# Altium PCB EPS.PcbDoc (part 6 of 10)
Units mm, origin at the board's own origin, x right, y up, seen from the top; angles counter-clockwise.
Board outline 90.25 x 93.64 mm, 8 copper layers (Top Layer, PGND, Power, Control Signals 1, Control Signals 2, Signal 1, Signal 2, Bottom Layer), stack 1.637 mm thick; 953 components, 561 nets, 2718 pads, 883 vias.
Unrouted connection lines stored in the file: 2.
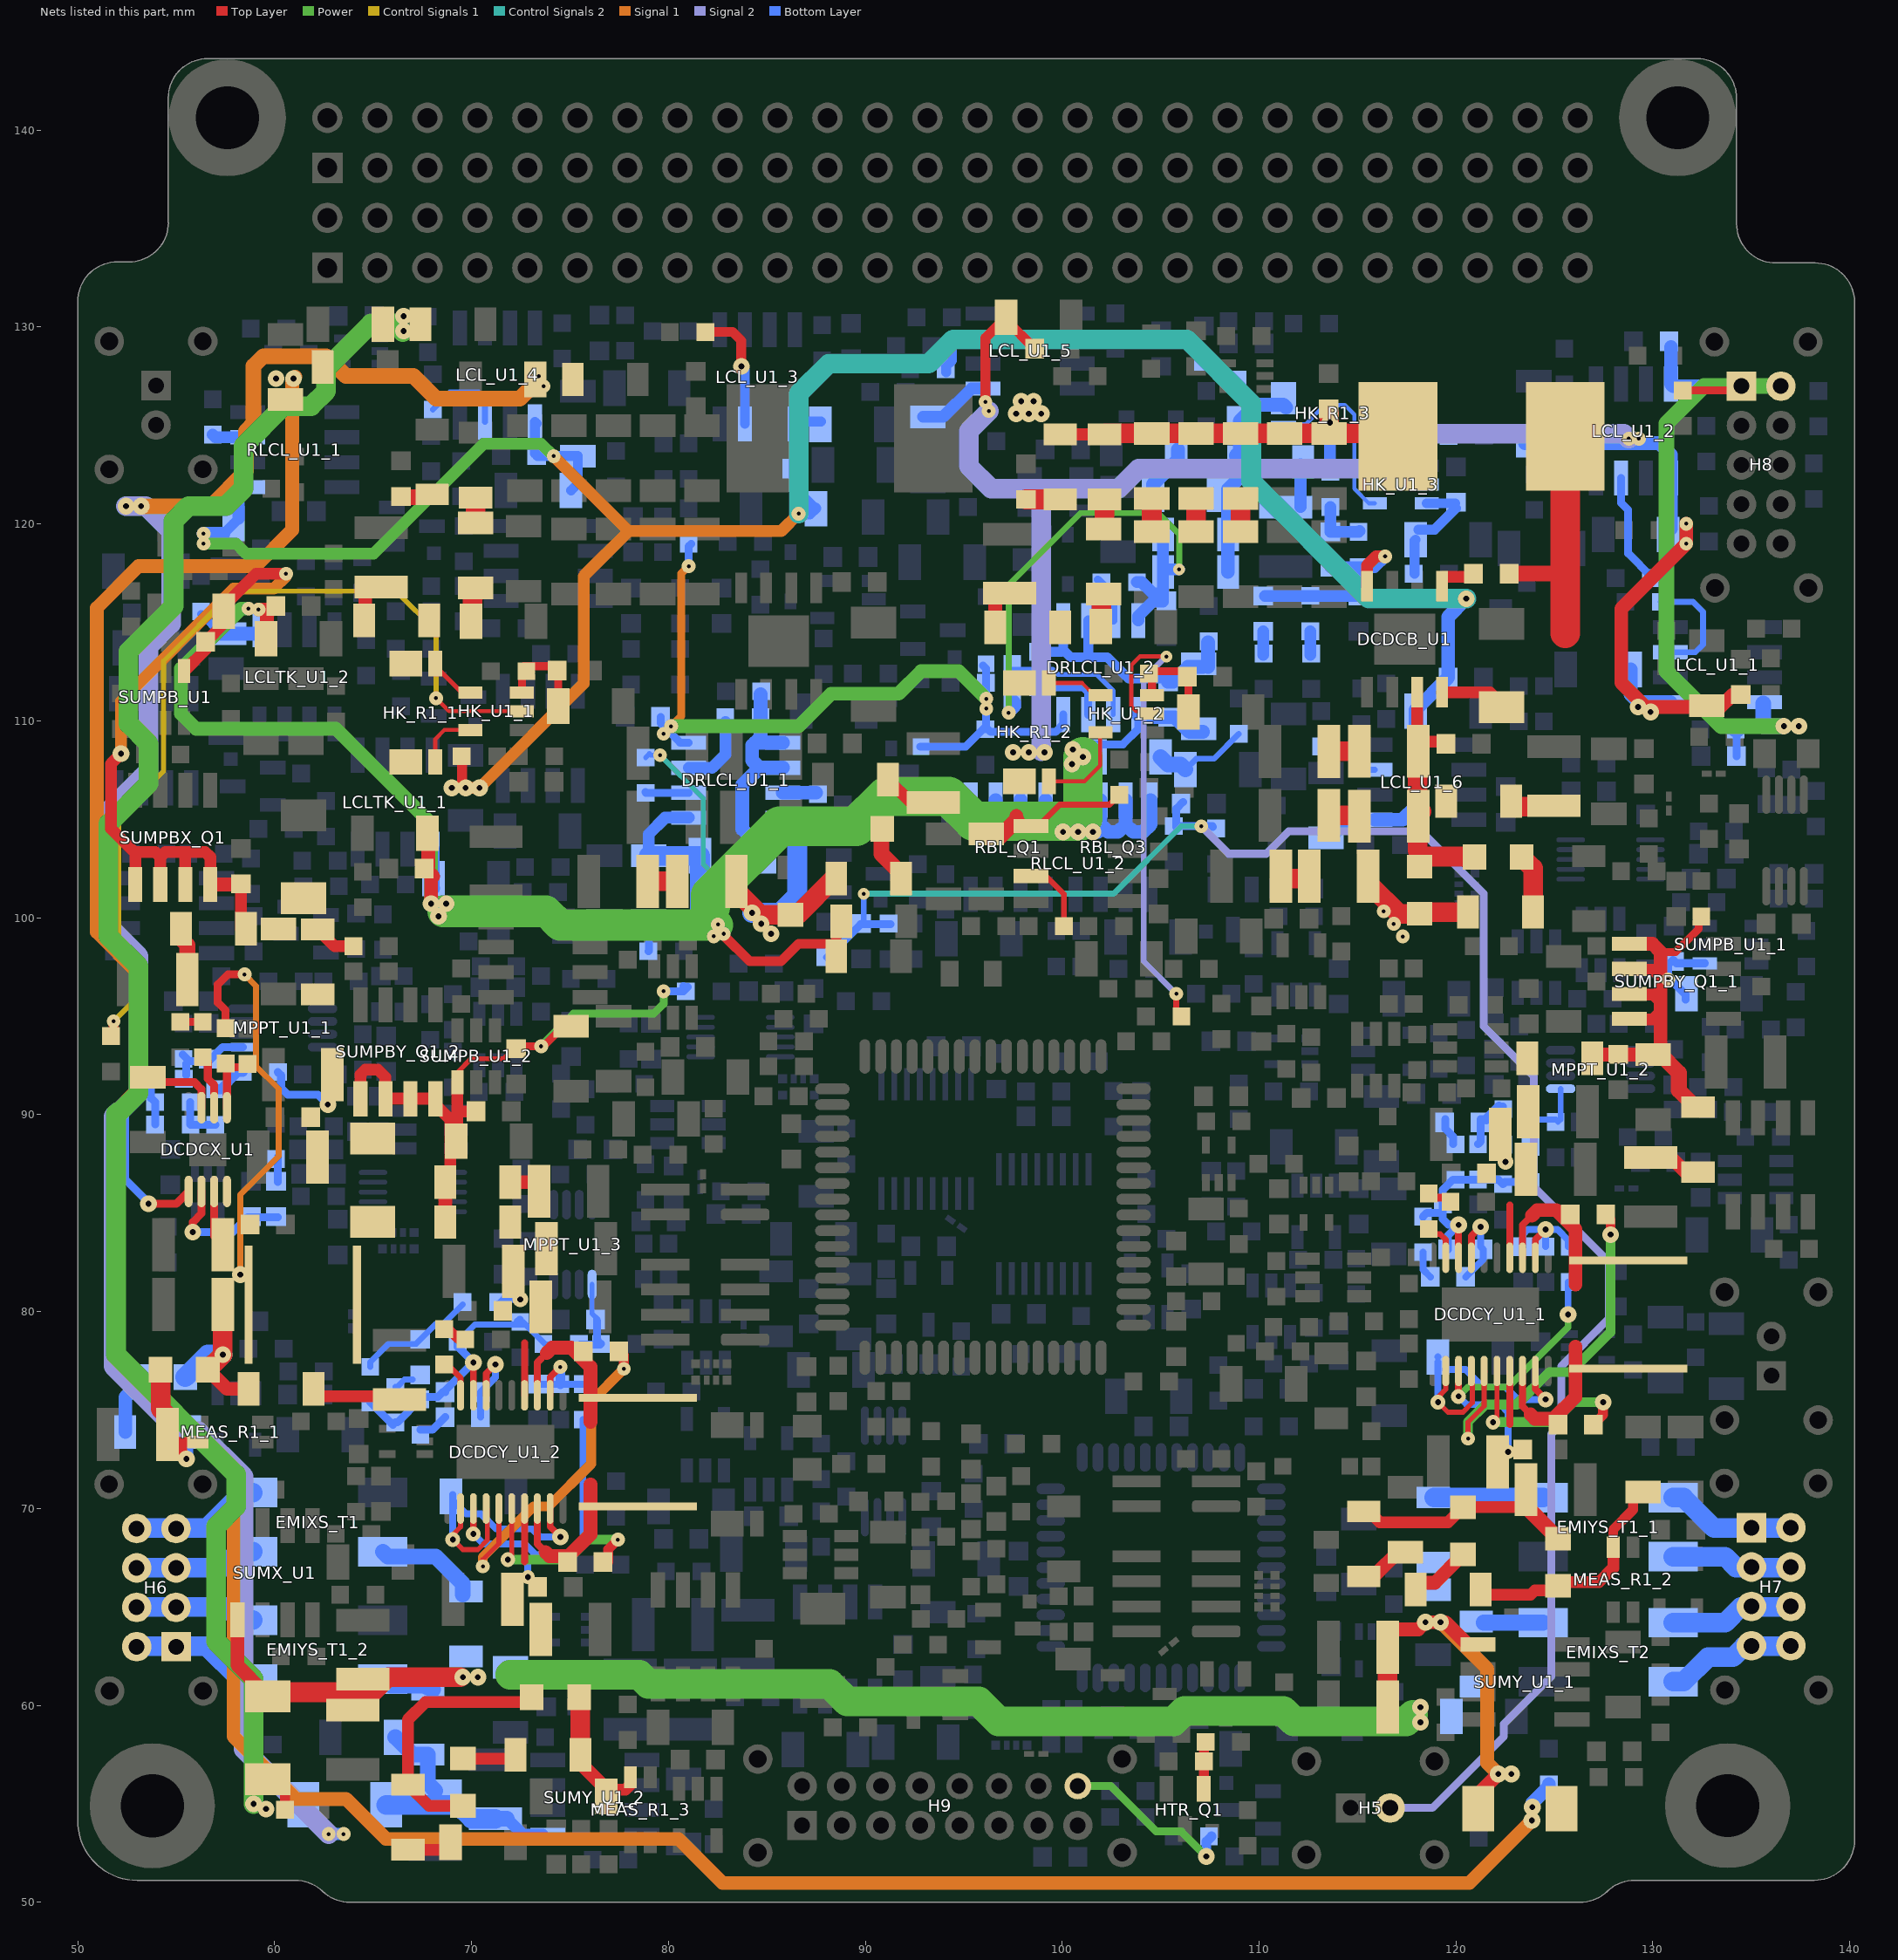
[diagram p12: the nets of this part, all layers, seen from the top]

## Via types
v1: diameter 0.7, hole 0.2, Top Layer to Bottom Layer, 440 vias
v2: diameter 0.85, hole 0.3, Top Layer to Bottom Layer, 329 vias
v3: diameter 0.6, hole 0.2, Top Layer to Bottom Layer, 70 vias
v4: diameter 0.8, hole 0.3, Top Layer to Bottom Layer, 24 vias
v5: diameter 0.75, hole 0.3, Top Layer to Bottom Layer, 13 vias
v6: diameter 0.7, hole 0.3, Top Layer to Bottom Layer, 3 vias
v7: diameter 1, hole 0.4, Top Layer to Bottom Layer, 2 vias
v8: diameter 1, hole 0.3, Top Layer to Bottom Layer, 1 vias
v9: diameter 0.75, hole 0.2, Top Layer to Bottom Layer, 1 vias

## Nets (pads, with @x,y where several pads share a name; then routed paths per layer and width w, separated by ;. In a path a pad name is that pad's centre, name@x,y a point inside that pad or via, vN(x,y) a via of type N, cw(c..) or ccw(c..) an arc to the next point about the centre after c; other vN are vias at no path point) (continued)
NetDCDCB_C3_1: DCDCB_C3.1 DCDCB_C7.1 DCDCB_C8.1 DCDCB_U1.7 EMIBA_L1.1 EMIBA_L2.1 EMIBA_R2.2 | length 14
  Top Layer w0.6: DCDCB_U1.7@118.03,111.45 118.03,108.47 118.05,108.95 DCDCB_C3.1@119.5,108.95
  Top Layer w1: DCDCB_C8.1@118.05,108.95 DCDCB_C7.1@118.05,105.2 ; EMIBA_L2.1@118.15,103.108 EMIBA_L2.1@118.342,103.108 ; DCDCB_C7.1@118.25,105.4 DCDCB_C7.1@118.05,105.2 ; EMIBA_L2.1@118.35,103.1 EMIBA_L2.1@118.342,103.108 ; EMIBA_L1.1@120.936,103.108 EMIBA_L2.1@118.342,103.108 ; DCDCB_C7.1@118.05,105.2 118.05,103.4 EMIBA_L2.1@118.342,103.108
NetDCDCB_C4_1: DCDCB_C4.1 DCDCB_C5.2 DCDCB_C6.2 DCDCB_C10.1 DCDCB_C11.1 DCDCB_C13.1 DCDCB_L1.1 DCDCB_R1.2 EMIBB_FB1.2 EMIBB_FB2.2 | length 20.7
  Top Layer w0.6: EMIBB_FB2.2@99.9,124.55 EMIBB_FB1.2@102.15,124.55
  Top Layer w1: EMIBB_FB1.2@102.15,124.55 102.2,124.6 DCDCB_C10.1@104.55,124.6 DCDCB_C11.1@106.8,124.6 DCDCB_C13.1@109.05,124.6 DCDCB_C6.2@111.3,124.6 DCDCB_C5.2@113.55,124.6 ; DCDCB_C4.1@113.55,125.603 DCDCB_C5.2@113.55,124.6 ; DCDCB_L1.1@117.05,124.45 116.9,124.6 DCDCB_C5.2@113.55,124.6
  Bottom Layer w0.6: DCDCB_R1.2@113.6,122.655 v2(113.6,125.15)
  other v2: 97.663,125.603 98.298,125.603 98.933,125.603 97.917,126.238 98.552,126.238
NetDCDCB_C7_2: DCDCB_C7.2 DCDCB_C14.1 | length 1.5
  Top Layer w1: DCDCB_C14.1@113.55,105.2 DCDCB_C7.2@115.05,105.2
NetDCDCB_C8_2: DCDCB_C8.2 DCDCB_C15.1 | length 1.5
  Top Layer w1: DCDCB_C15.1@113.55,108.45 DCDCB_C8.2@115.05,108.45
NetDCDCB_C9_1: DCDCB_C9.1 DCDCB_D1.K DCDCB_L1.2 DCDCB_U1.8 | length 16.2
  Top Layer w0.6: DCDCB_U1.8@119.3,111.45 121.73,111.45 DCDCB_D1.K@122.31,110.87
  Top Layer w0.8: DCDCB_C9.1@122.693,117.475 125.423,117.475 125.55,117.602
  Top Layer w1.5: 125.55,114.45 125.55,117.602 DCDCB_L1.2@125.55,124.45
NetDCDCB_C9_2: DCDCB_C9.2 DCDCB_U1.1 | length 1.5
  Top Layer w0.6: DCDCB_U1.1@119.38,117.327 DCDCB_C9.2@120.9,117.327
NetDCDCB_C10_2: DCDCB_C10.2 DCDCB_C16.1 | length 1.7
  Top Layer w1: DCDCB_C16.1@104.55,119.6 DCDCB_C10.2@104.55,121.3
NetDCDCB_C11_2: DCDCB_C11.2 DCDCB_C17.1 | length 1.7
  Top Layer w1: DCDCB_C17.1@106.8,119.6 DCDCB_C11.2@106.8,121.3
NetDCDCB_C13_2: DCDCB_C13.2 DCDCB_C18.1 | length 1.7
  Top Layer w1: DCDCB_C18.1@109.05,119.6 DCDCB_C13.2@109.05,121.3
NetDCDCB_C19_1: DCDCB_C19.1 DCDCB_R1.1 DCDCB_R2.2 | length 2.7
  Bottom Layer w0.6: DCDCB_R1.1@113.627,120.855 DCDCB_C19.1@113.627,119.607 115.043,119.607 DCDCB_R2.2@115.05,119.6 DCDCB_R2.2@115.1,119.65
NetDCDCB_C19_2: DCDCB_C19.2 DCDCB_C20.1 DCDCB_C21.1 DCDCB_R2.1 DCDCB_R3.2 DCDCB_U1.4 | length 11.4
  Top Layer w0.6: DCDCB_U1.4@115.49,116.85 115.49,117.903 115.937,118.35 v1(116.4,118.35)
  Bottom Layer w0.6: DCDCB_C20.1@110.3,116.35 DCDCB_R3.2@112.6,116.35 DCDCB_C21.1@115.05,116.35 DCDCB_R2.1@115.05,117.8 ; DCDCB_C19.2@113.627,117.807 115.043,117.807 DCDCB_R2.1@115.05,117.8 ; v1(116.4,118.35) 115.85,117.8 DCDCB_R2.1@115.05,117.8
NetDCDCB_C20_2: DCDCB_C20.2 DCDCB_R5.2 | length 1.2
  Bottom Layer w0.6: DCDCB_R5.2@110.2,113.35 DCDCB_C20.2@110.2,114.55
NetDCDCB_R3_1: DCDCB_R3.1 DCDCB_R4.2 | length 1.2
  Bottom Layer w0.6: DCDCB_R4.2@112.6,113.35 DCDCB_R3.1@112.6,114.55
NetDCDCX_C1_2: DCDCX_C1.2 DCDCX_C3.1 DCDCX_C4.1 DCDCX_L1.2 DCDCX_R3.1 DCDCX_U1.3 EMIXI_L1.1 EMIXI_L2.1 EMIXI_R2.2 | length 32.2
  Top Layer w0.4: DCDCX_U1.3@56.929,86.102 56.929,83.838 DCDCX_C3.1@57.366,83.401 ; DCDCX_R3.1@57.493,94.207 57.493,95.313 57.112,95.694 57.112,96.609 57.625,97.122 v1(58.47,97.122)
  Top Layer w0.7: EMIXI_L2.1@56.604,77.051 57.582,76.073 EMIXI_R2.2@58.675,76.073
  Top Layer w1: EMIXI_L2.1@56.604,77.051 v2(57.366,77.813) DCDCX_C4.1@57.366,80.353
  Signal 1 w0.3: v2(58.255,81.877) 58.255,85.941 60.198,87.884 60.198,91.313 59.055,92.456 59.055,96.537 v1(58.47,97.122)
  Bottom Layer w1: EMIXI_L1.1@55.461,76.67 56.604,77.813 v2(57.366,77.813)
NetDCDCX_C2_2: DCDCX_C2.2 DCDCX_C5.1 DCDCX_C6.1 DCDCX_D1.K DCDCX_R2.2 EMIXO_FB1.2 | length 3.7
  Bottom Layer w0.4: DCDCX_R2.2@60.16,92.164 60.325,91.999 60.325,91.364 60.668,91.021 62.192,91.021 v2(62.7,90.513) v2@62.7,90.64
NetDCDCX_C7_1: DCDCX_C7.1 DCDCX_C8.1 DCDCX_U1.2 | length 6.9
  Top Layer w0.4: v2(55.842,84.036) 55.842,84.544 56.279,84.981 DCDCX_U1.2@56.279,86.102
  Bottom Layer w0.4: v2(55.842,84.036) 57.874,84.036 58.625,84.787 DCDCX_C7.1@60.16,84.787
NetDCDCX_C7_2: DCDCX_C7.2 DCDCX_R11.1 | length 1.2
  Bottom Layer w0.4: DCDCX_C7.2@60.16,86.587 DCDCX_R11.1@60.16,87.835
NetDCDCX_C9_1: DCDCX_C9.1 DCDCX_U1.7 | length 3.9
  Top Layer w0.4: DCDCX_C9.1@53.556,91.909 53.809,91.656 55.921,91.656 56.279,91.298 DCDCX_U1.7@56.279,90.352
NetDCDCX_D1_A: DCDCX_D1.A DCDCX_L1.1 DCDCX_U1.4
NetDCDCX_R1_1: DCDCX_R1.1 DCDCX_R5.1 DCDCX_R6.1 | length 2.4
  Bottom Layer w0.4: DCDCX_R6.1@55.715,90.64 55.715,89.508 DCDCX_R5.1@55.726,89.497 55.737,89.486 DCDCX_R1.1@56.985,89.486
NetDCDCX_R1_2: DCDCX_R1.2 DCDCX_R2.1 | length 1.7
  Bottom Layer w0.5: DCDCX_R1.2@56.985,91.286 57.25,91.286 58.128,92.164 DCDCX_R2.1@58.371,92.164
NetDCDCX_R3_2: DCDCX_R3.2 DCDCX_R8.1 DCDCX_U1.5 | length 3.2
  Top Layer w0.4: DCDCX_U1.5@57.579,90.352 57.579,92.321 57.493,92.407 DCDCX_R8.1@58.636,92.407
NetDCDCX_R5_2: DCDCX_R5.2 DCDCX_R6.2 DCDCX_R7.1 DCDCX_U1.1 | length 12.2
  Top Layer w0.4: v2(53.594,85.471) 54.998,85.471 DCDCX_U1.1@55.629,86.102
  Bottom Layer w0.4: v2(53.594,85.471) 53.594,85.522 52.413,86.703 52.413,90.767 53.429,91.783 53.721,91.783 53.721,90.845 DCDCX_R6.2@53.926,90.64 DCDCX_R5.2@53.926,89.497
NetDCDCX_R7_2: DCDCX_R7.2 MPPT_C4_1.2 MPPT_R4_1.1 MPPT_U1_1.1 | length 4.1
  Bottom Layer w0.4: MPPT_R4_1.1@55.334,93.042 55.666,92.71 56.642,92.71 57.366,93.434 MPPT_U1_1.1@58.382,93.434 ; DCDCX_R7.2@55.499,92.01 MPPT_R4_1.1@55.499,92.583
NetDCDCX_R9_1: DCDCX_R9.1 DCDCX_U1.6 | length 2.8
  Top Layer w0.4: DCDCX_R9.1@56.35,92.915 56.604,92.661 56.604,91.826 56.929,91.501 DCDCX_U1.6@56.929,90.352
NetDCDCX_R9_2: DCDCX_R9.2 DCDCX_R10.1 | length 1.1
  Top Layer w0.4: DCDCX_R10.1@55.207,94.715 DCDCX_R9.2@56.35,94.715
NetDCDCY_C1_1_1: DCDCY_C1_1.1 DCDCY_L1_1.2 DCDCY_U1_1.18 | length 7.7
  Top Layer w0.35: DCDCY_U1_1.18@123.38,76.981 123.38,75.183 123.787,74.776
  Top Layer w0.7: 123.787,74.776 124.003,74.56 124.968,74.56 126.073,75.665 126.073,78.205
NetDCDCY_C1_1_2: DCDCY_C1_1.2 DCDCY_U1_1.16 | length 10
  Top Layer w0.254: v5(121.882,74.384) 122.08,74.582 DCDCY_U1_1.16@122.08,76.981
  Top Layer w0.5: DCDCY_C1_1.2@126.973,74.257 127.47,74.754 v2(127.47,75.4)
  Power w0.5: v5(121.882,74.384) 124.919,74.384 125.935,75.4 v2(127.47,75.4)
NetDCDCY_C1_2_1: DCDCY_C1_2.1 DCDCY_L1_2.2 DCDCY_U1_2.18 | length 7.7
  Top Layer w0.35: DCDCY_U1_2.18@73.342,69.996 73.342,68.198 73.749,67.791
  Top Layer w0.7: 73.749,67.791 73.965,67.575 74.93,67.575 76.035,68.68 76.035,71.22
NetDCDCY_C1_2_2: DCDCY_C1_2.2 DCDCY_U1_2.16 | length 10
  Top Layer w0.254: v5(71.844,67.399) 72.042,67.597 DCDCY_U1_2.16@72.042,69.996
  Top Layer w0.5: DCDCY_C1_2.2@76.935,67.272 76.935,67.918 v1(77.432,68.415)
  Power w0.5: v5(71.844,67.399) 74.881,67.399 75.897,68.415 v1(77.432,68.415)
NetDCDCY_C2_1_1: DCDCY_C2_1.1 DCDCY_L1_1.1 DCDCY_U1_1.3 | length 7.9
  Top Layer w0.35: DCDCY_U1_1.3@123.38,82.731 123.38,84.402 123.85,84.872
  Top Layer w0.7: 123.85,84.872 124.13,85.152 125.095,85.152 126.073,84.174 126.073,81.38
NetDCDCY_C2_1_2: DCDCY_C2_1.2 DCDCY_U1_1.15 | length 19.9
  Top Layer w0.254: v1(120.612,73.55) 120.612,74.384 121.43,75.202 DCDCY_U1_1.15@121.43,76.981
  Top Layer w0.3: DCDCY_U1_1.15@121.43,76.981 DCDCY_U1_1.15@121.461,76.95
  Top Layer w0.5: DCDCY_C2_1.2@127.608,84.925 127.851,84.682 v2(127.851,83.909)
  Power w0.5: v1(120.612,73.55) 120.612,74.395 121.49,75.273 123.077,75.273 124.728,76.924 125.819,76.924 127.851,78.956 v2(127.851,83.909)
NetDCDCY_C2_2_1: DCDCY_C2_2.1 DCDCY_L1_2.1 DCDCY_U1_2.3 | length 7.9
  Top Layer w0.35: DCDCY_U1_2.3@73.342,75.746 73.342,77.417 73.812,77.887
  Top Layer w0.7: 73.812,77.887 74.092,78.167 75.057,78.167 76.035,77.189 76.035,74.395
NetDCDCY_C2_2_2: DCDCY_C2_2.2 DCDCY_U1_2.15 | length 17.7
  Top Layer w0.254: v1(70.574,67.056) 70.574,67.399 71.392,68.217 DCDCY_U1_2.15@71.392,69.996
  Top Layer w0.3: DCDCY_U1_2.15@71.392,69.996 DCDCY_U1_2.15@71.423,69.965
  Top Layer w0.5: DCDCY_C2_2.2@77.57,77.94 77.735,77.775 v1(77.735,77.089)
  Signal 1 w0.5: v1(70.574,67.056) 70.574,67.526 73.152,70.104 73.914,70.104 76.073,72.263 76.073,75.427 v1(77.735,77.089)
NetDCDCY_C3_1_2: DCDCY_C3_1.2 DCDCY_C5_1.1 DCDCY_C6_1.1 DCDCY_R2_1.1 DCDCY_U1_1.13 DCDCY_U1_1.17 EMIYI_L1_1.1 EMIYI_L2_1.1 EMIYI_R2_1.2 | length 29.9
  Top Layer w0.35: v5(120.13,75.691) DCDCY_U1_1.13@120.13,76.981 ; 122.73,74.268 DCDCY_U1_1.17@122.73,76.981
  Top Layer w0.6: EMIYI_R2_1.2@115.57,69.85 116.117,69.303 119.595,69.303 EMIYI_L1_1.1@120.358,70.066 DCDCY_C5_1.1@123.557,70.066
  Top Layer w0.8: DCDCY_C5_1.1@123.557,70.955 123.557,70.099 EMIYI_L2_1.1@125.184,68.472
  Power w0.35: v5(120.13,75.691) 120.601,76.162 122.644,76.162 125.692,79.21 v2(125.692,79.845)
  Bottom Layer w0.35: v5(120.13,75.691) 120.548,75.273 122.263,75.273 122.644,74.892 v6(122.644,72.871) ; v2(125.692,79.845) DCDCY_R2_1.1@125.692,81.496
NetDCDCY_C3_2_2: DCDCY_C3_2.2 DCDCY_C5_2.1 DCDCY_C6_2.1 DCDCY_R2_2.1 DCDCY_U1_2.13 DCDCY_U1_2.17 EMIYI_L1_2.1 EMIYI_L2_2.1 EMIYI_R2_2.2 | length 30.8
  Top Layer w0.35: v5(70.092,68.706) DCDCY_U1_2.13@70.092,69.996 ; 72.692,67.283 DCDCY_U1_2.17@72.692,69.996
  Top Layer w0.6: EMIYI_L1_2.1@69.558,54.896 67.836,54.896 EMIYI_R2_2.2@66.764,55.968 66.764,59.271 67.653,60.16 EMIYI_L2_2.1@73.057,60.16
  Bottom Layer w0.35: v5(70.092,68.706) 70.599,68.199 72.706,68.199 73.252,67.653 ; v6(72.86,66.51) 72.86,67.261 73.252,67.653 ; DCDCY_R2_2.1@75.654,74.511 75.654,68.542 74.765,67.653 73.252,67.653
NetDCDCY_C4_1_2: DCDCY_C4_1.2 DCDCY_C7_1.1 DCDCY_C8_1.1 DCDCY_C9_1.1 DCDCY_R1_1.1 DCDCY_U1_1.4 EMIYO_FB1_1.2 | length 3.7
  Top Layer w0.35: DCDCY_U1_1.4@122.73,82.731 122.73,85.403
  Bottom Layer w0.35: DCDCY_R1_1.1@122.39,88.608 122.517,88.481 v4(122.517,87.603)
NetDCDCY_C4_2_2: DCDCY_C4_2.2 DCDCY_C7_2.1 DCDCY_C8_2.1 DCDCY_C9_2.1 DCDCY_R1_2.1 DCDCY_U1_2.4 EMIYO_FB1_2.2 | length 3.9
  Top Layer w0.35: DCDCY_U1_2.4@72.692,75.746 72.692,78.418
  Bottom Layer w0.35: DCDCY_R1_2.1@71.347,80.353 71.612,80.618 v4(72.479,80.618)
NetDCDCY_C10_1_1: DCDCY_C10_1.1 DCDCY_C12_1.1 DCDCY_U1_1.7 | length 4.7
  Top Layer w0.35: DCDCY_U1_1.7@120.78,82.731 120.78,83.834 v2(121.247,84.301)
  Bottom Layer w0.35: DCDCY_C10_1.1@120.496,81.761 121.385,82.65 DCDCY_C12_1.1@121.385,83.158 121.247,83.296 v2(121.247,84.301)
NetDCDCY_C10_1_2: DCDCY_C10_1.2 DCDCY_R4_1.1 | length 1.4
  Bottom Layer w0.35: DCDCY_R4_1.1@118.326,83.02 118.326,82.131 DCDCY_C10_1.2@118.696,81.761
NetDCDCY_C10_2_1: DCDCY_C10_2.1 DCDCY_C12_2.1 DCDCY_U1_2.7 | length 4.8
  Top Layer w0.35: DCDCY_U1_2.7@70.742,75.746 70.742,76.849 v2(71.209,77.316)
  Bottom Layer w0.35: DCDCY_C10_2.1@70.458,74.638 DCDCY_C12_2.1@70.458,75.908 71.209,76.659 v2(71.209,77.316)
NetDCDCY_C10_2_2: DCDCY_C10_2.2 DCDCY_R4_2.1 | length 1.5
  Bottom Layer w0.4: DCDCY_R4_2.1@67.399,73.992 68.012,73.992 DCDCY_C10_2.2@68.658,74.638
NetDCDCY_C11_1_1: DCDCY_C11_1.1 DCDCY_R1_1.2 DCDCY_R3_1.1 | length 2.7
  Bottom Layer w0.4: DCDCY_R3_1.1@121.12,88.503 121.258,88.641 121.258,89.762 DCDCY_C11_1.1@121.537,89.762 ; DCDCY_R1_1.2@122.183,90.408 DCDCY_R1_1.2@122.39,90.408
  Bottom Layer w0.5: DCDCY_C11_1.1@121.537,89.762 DCDCY_R1_1.2@122.183,90.408
NetDCDCY_C11_1_2: DCDCY_C11_1.2 DCDCY_R5_1.1 | length 1.4
  Bottom Layer w0.4: DCDCY_C11_1.2@119.458,89.762 119.458,89.279 119.85,88.887 DCDCY_R5_1.1@119.85,88.503
NetDCDCY_C11_2_1: DCDCY_C11_2.1 DCDCY_R1_2.2 DCDCY_R3_2.1 | length 6.1
  Bottom Layer w0.3: DCDCY_R3_2.1@64.859,77.189 64.859,77.432 65.786,78.359 67.183,78.359 68.199,79.375 68.569,79.375 DCDCY_R1_2.2@69.547,80.353
NetDCDCY_C11_2_2: DCDCY_C11_2.2 DCDCY_R5_2.1 | length 1
  Bottom Layer w0.3: DCDCY_R5_2.1@66.129,76.173 66.225,76.173 66.595,76.543 DCDCY_C11_2.2@67.018,76.543
NetDCDCY_C12_1_2: DCDCY_C12_1.2 DCDCY_R3_1.2 DCDCY_R4_1.2 DCDCY_R5_1.2 DCDCY_R7_1.2 DCDCY_R8_1.1 DCDCY_R9_1.1 DCDCY_U1_1.8 | length 11.6
  Top Layer w0.35: DCDCY_U1_1.8@120.13,82.731 v2(120.13,84.402)
  Bottom Layer w0.4: DCDCY_R4_1.2@118.326,84.82 118.52,85.014 119.278,85.014 DCDCY_R8_1.1@119.331,85.066 ; DCDCY_C12_1.2@119.585,83.158 119.585,83.857 v2(120.13,84.402) 119.622,84.402 119.331,84.693 DCDCY_R8_1.1@119.331,85.066 ; DCDCY_R7_1.2@123.914,86.576 122.495,86.576 DCDCY_R9_1.1@122.39,86.471 122.158,86.703 DCDCY_R3_1.2@121.12,86.703 119.85,86.703 119.331,86.184 DCDCY_R8_1.1@119.331,85.444 DCDCY_R8_1.1@119.331,85.066
NetDCDCY_C12_2_2: DCDCY_C12_2.2 DCDCY_R3_2.2 DCDCY_R4_2.2 DCDCY_R5_2.2 DCDCY_R7_2.2 DCDCY_R8_2.1 DCDCY_R9_2.1 DCDCY_U1_2.8 | length 16
  Top Layer w0.35: DCDCY_U1_2.8@70.092,75.746 v2(70.092,77.417)
  Bottom Layer w0.3: DCDCY_R8_2.1@69.293,78.459 70.171,79.337 72.711,79.337 DCDCY_R9_2.1@72.457,79.591 ; DCDCY_R9_2.1@72.606,79.475 73.76,78.321 DCDCY_R7_2.2@73.865,78.321
  Bottom Layer w0.4: DCDCY_R3_2.2@64.859,75.389 DCDCY_R5_2.2@66.002,74.246 ; DCDCY_R5_2.2@66.129,74.373 66.234,74.373 DCDCY_R4_2.2@67.399,75.538 67.515,75.654 68.288,75.654 68.542,75.908 DCDCY_C12_2.2@68.658,75.908 68.658,75.983 v2(70.092,77.417) 69.293,78.216 DCDCY_R8_2.1@69.293,78.459 ; DCDCY_R9_2.1@72.352,79.486 DCDCY_R9_2.1@72.457,79.591
NetDCDCY_C13_1_1: DCDCY_C13_1.1 DCDCY_R2_1.2 DCDCY_R6_1.1 DCDCY_U1_1.2 | length 6.1
  Top Layer w0.35: DCDCY_U1_1.2@124.03,82.731 124.03,83.655 v2(124.549,84.174)
  Bottom Layer w0.35: DCDCY_C13_1.1@123.406,83.296 123.406,83.92 123.66,84.174 v2(124.549,84.174) ; DCDCY_R6_1.1@124.549,83.296 v2(124.549,84.174) ; DCDCY_R2_1.2@125.692,83.296 125.692,83.629 125.147,84.174 v2(124.549,84.174)
NetDCDCY_C13_2_1: DCDCY_C13_2.1 DCDCY_R2_2.2 DCDCY_R6_2.1 DCDCY_U1_2.2 | length 4.8
  Top Layer w0.35: DCDCY_U1_2.2@73.992,75.746 73.992,76.67 v1(74.511,77.189)
  Bottom Layer w0.35: DCDCY_C13_2.1@73.368,76.311 DCDCY_R6_2.1@74.511,76.311 DCDCY_R2_2.2@75.654,76.311
  Bottom Layer w0.5: DCDCY_R6_2.1@74.511,76.311 v1(74.511,77.189)
NetDCDCY_C14_1_1: DCDCY_C14_1.1 DCDCY_U1_1.12 DCDCY_U1_1.14 DCDCY_U1_1.19 | length 14.9
  Top Layer w0.254: DCDCY_U1_1.12@119.48,76.981 119.48,76.046 119.088,75.654 v5(119.088,75.4) 119.596,74.892 120.358,74.892 120.835,75.369 120.835,76.926 DCDCY_U1_1.14@120.78,76.981
  Top Layer w0.35: DCDCY_U1_1.19@124.03,76.981 124.03,76.057 v4(124.549,75.538)
  Bottom Layer w0.35: v5(119.088,75.4) DCDCY_C14_1.1@119.088,77.443 ; DCDCY_C14_1.1@119.089,77.697 DCDCY_C14_1.1@119.089,77.697 ; DCDCY_C14_1.1@119.469,77.051 120.485,77.051 121.374,76.162 122.517,76.162 123.141,75.538 v4(124.549,75.538)
NetDCDCY_C14_2_1: DCDCY_C14_2.1 DCDCY_U1_2.12 DCDCY_U1_2.14 DCDCY_U1_2.19 | length 15.7
  Top Layer w0.254: DCDCY_U1_2.12@69.442,69.996 69.442,69.061 69.05,68.669 v5(69.05,68.415) 69.558,67.907 70.32,67.907 70.797,68.384 70.797,69.941 DCDCY_U1_2.14@70.742,69.996
  Top Layer w0.35: DCDCY_U1_2.19@73.992,69.996 73.992,69.072 v2(74.511,68.553)
  Bottom Layer w0.35: v5(69.05,68.415) DCDCY_C14_2.1@69.05,70.396 ; DCDCY_C14_2.1@69.051,70.712 69.05,70.711 DCDCY_C14_2.1@69.05,70.396 ; v2(74.511,68.553) 73.484,68.553 73.076,68.961 71.247,68.961 70.485,69.723 69.723,69.723 DCDCY_C14_2.1@69.05,70.396
NetDCDCY_R7_1_1: DCDCY_R7_1.1 MPPT_C4_2.2 MPPT_R4_2.1 MPPT_U1_2.1 | length 4.5
  Bottom Layer w0.3: DCDCY_R7_1.1@123.914,88.365 123.914,89.74 123.903,89.751 125.068,89.751 125.184,89.635 125.318,89.769 MPPT_U1_2.1@125.318,91.316
NetDCDCY_R7_2_1: DCDCY_R7_2.1 MPPT_C4_3.2 MPPT_R4_3.1 MPPT_U1_3.1 | length 4.5
  Bottom Layer w0.254: DCDCY_R7_2.1@75.538,78.321 75.549,78.332 DCDCY_R7_2.1@75.676,78.332 ; MPPT_U1_3.1@76.121,81.376 76.121,79.897 76.427,79.591 76.363,79.527 MPPT_C4_3.2@76.3,79.591 ; MPPT_R4_3.1@76.532,78.321 MPPT_R4_3.1@76.57,78.359
  Bottom Layer w0.4: DCDCY_R7_2.1@75.538,78.321 MPPT_R4_3.1@76.532,78.321 ; MPPT_C4_3.2@76.363,79.527 76.363,78.565 MPPT_R4_3.1@76.57,78.359
NetDCDCY_R10_1_1: DCDCY_R10_1.1 DCDCY_U1_1.9 | length 2.1
  Top Layer w0.3: DCDCY_R10_1.1@118.58,84.29 118.936,83.934 119.201,83.934 119.48,83.655 DCDCY_U1_1.9@119.48,82.731
NetDCDCY_R10_1_2: DCDCY_R10_1.2 DCDCY_R11_1.1 | length 1.4
  Top Layer w0.4: DCDCY_R10_1.2@118.58,86.09 118.894,85.776 119.518,85.776 DCDCY_R11_1.1@119.723,85.571
NetDCDCY_R10_2_1: DCDCY_R10_2.1 DCDCY_U1_2.9 | length 2.1
  Top Layer w0.3: DCDCY_R10_2.1@68.542,77.305 68.77,77.305 69.442,76.633 DCDCY_U1_2.9@69.442,75.746
NetDCDCY_R10_2_2: DCDCY_R10_2.2 DCDCY_R11_2.1 | length 1
  Top Layer w0.4: DCDCY_R10_2.2@68.542,79.105 DCDCY_R10_2.2@68.68,78.967
  Top Layer w0.5: DCDCY_R10_2.2@68.776,79.165 DCDCY_R11_2.1@69.342,78.599
NetDISTR_R1_2: DISTR_R1.2 LCL_U1_6.3 | length 3.2
  Bottom Layer w0.3: DISTR_R1.2@113.157,108.701 114.199,108.701 115.38,107.52 LCL_U1_6.3@115.88,107.52
NetDISTR_R2_2: DISTR_R2.2 LCL_U1_3.3 | length 6.2
  Top Layer w0.5: DISTR_R2.2@81.95,129.75 83.254,129.75 83.7,129.304 v2(83.7,128)
  Bottom Layer w0.5: v2(83.7,128) 83.88,127.82 LCL_U1_3.3@83.88,125.08
NetDISTR_R3_2: DISTR_R3.2 LCL_U1_4.3 | length 4.3
  Bottom Layer w0.3: DISTR_R3.2@68.034,125.808 68.913,126.687 70.341,126.687 70.68,126.348 LCL_U1_4.3@70.68,125.18
NetDISTR_R4_2: DISTR_R4.2 LCL_U1_5.3 | length 3.2
  Bottom Layer w0.5: DISTR_R4.2@94.1,127.7 94.1,128 94.4,128.3 94.4,129 94.82,129.42 LCL_U1_5.3@95.98,129.42
NetDISTR_R5_2: DISTR_R5.2 LCL_U1_2.3 | length 5.7
  Bottom Layer w0.4: LCL_U1_2.3@128.38,122.33 128.38,121.073 128.74,120.713 128.74,118.51 DISTR_R5.2@129.95,117.3
NetDISTR_R6_2: DISTR_R6.2 LCL_U1_1.3 | length 5.8
  Bottom Layer w0.3: DISTR_R6.2@130.402,116.04 132.042,116.04 132.55,115.532 132.55,113.881 132.154,113.485 LCL_U1_1.3@130.892,113.485
NetDISTR_R7_2: DISTR_R7.2 RLCL_U1_1.3 | length 1.8
  Bottom Layer w0.6: DISTR_R7.2@56.858,124.538 56.989,124.407 RLCL_U1_1.3@58.629,124.407
NetDISTR_R8_2: DISTR_R8.2 RLCL_U1_2.3 | length 3.7
  Top Layer w0.3: RLCL_U1_2.3@98.418,102.123 99.172,102.123 100.087,101.208 DISTR_R8.2@100.087,99.568
NetDRLCL_C1_1_1: DRLCL_C1_1.1 DRLCL_C1_2.1 DRLCL_C2_1.1 DRLCL_C2_2.1 DRLCL_C3_1.1 DRLCL_C3_2.1 DRLCL_U1_1.1 DRLCL_U1_2.1 LCLTK_C1_1.1 LCLTK_C1_2.1 LCLTK_C4_1.1 LCLTK_C4_2.1 LCLTK_C6_1.1 LCLTK_C6_2.1 LCLTK_R16_1.2 LCLTK_R16_2.2 LCLTK_U1_1.1 LCLTK_U1_2.1 LS_FB1.1 LS_FB2.1 RBL_Q1.D RBL_Q3.D | length 124.9
  Top Layer w0.5: v1(82.804,99.187) 82.804,99.111 84.125,97.79 85.725,97.79 86.614,98.679 88.265,98.679 LS_FB2.1@88.519,98.425 ; LS_FB2.1@88.52,98.044 LS_FB1.1@88.52,99.314
  Top Layer w0.6: LS_FB2.1@88.52,97.663 LS_FB2.1@88.52,98.044 ; LS_FB1.1@88.52,99.314 LS_FB1.1@88.774,99.568
  Top Layer w0.7: v1(59.182,115.659) LCLTK_C4_2.1@59.6,115.659 ; LCLTK_C6_2.1@59.6,113.8 LCLTK_C4_2.1@59.6,115.659 ; LCLTK_C4_2.1@59.895,115.659 LCLTK_C4_2.1@59.6,115.659 ; LCLTK_C6_1.1@67.8,104.3 67.8,102.65 67.65,102.5 LCLTK_C4_1.1@68.05,102.1 ; v2(67.945,100.711) 67.945,102.045 LCLTK_C4_1.1@68,102.1
  Power w0.7: v1(58.674,115.697) 58.293,115.697 55.245,112.649 55.245,110.363 56.007,109.601 63.119,109.601 67.945,104.775 v2(67.945,100.711)
  Power w1.6: v2@68.549,100.33 73.787,100.33 74.491,99.626 v1@82.481,99.626
  Power w2: 82.131,100.546 82.131,101.131 85.648,104.648 89.535,104.648 91.059,106.172 94.234,106.172 95.504,104.902 100.901,104.902 101.054,105.054 v2(101.054,108.166)
  Bottom Layer w0.4: LCLTK_R16_2.2@56.261,115.432 56.273,115.432 LCLTK_C1_2.1@57.278,114.427 ; LCLTK_C1_1.1@68.05,101.5 LCLTK_C1_1.1@68.066,101.484 ; v2(68.707,100.711) 68.834,100.584 LCLTK_R16_1.2@69.977,100.584 ; DRLCL_C1_2.1@101.689,108.801 103.086,108.801 103.863,109.578 DRLCL_U1_2.1@103.863,110.318
  Bottom Layer w0.6: DRLCL_C1_1.1@79,103.15 79,104.25 79.83,105.08 DRLCL_U1_1.1@81.03,105.08
  Bottom Layer w0.7: LCLTK_C1_2.1@57.278,114.427 LCLTK_U1_2.1@59.055,114.427 ; LCLTK_U1_1.1@68.02,103.48 68.02,101.53 LCLTK_C1_1.1@68.05,101.5 ; RBL_Q1.D@95.344,105.974 95.344,104.732 95.72,104.356 96.228,104.356 96.614,104.742 ; RBL_Q1.D@96.614,105.974 96.614,104.742 ; RBL_Q1.D@97.884,105.974 97.884,104.732 ; RBL_Q1.D@99.154,105.974 99.154,104.742 ; RBL_Q3.D@100.678,105.974 v2@100.678,104.732 ; RBL_Q3.D@101.948,105.974 101.948,104.732 ; RBL_Q3.D@103.218,105.974 103.218,104.742 ; DRLCL_U1_2.1@103.863,110.318 103.994,110.187 DRLCL_C3_2.1@105.372,110.187 105.713,110.187 106.463,109.437 DRLCL_C2_2.1@107.15,109.437 ; RBL_Q3.D@104.488,105.974 104.488,104.742 104.102,104.356 103.604,104.356 103.218,104.742 ; 96.614,104.742 96.614,104.732 96.99,104.356 97.752,104.356 97.884,104.488 97.884,104.732 ; 97.884,104.732 98.26,104.356 98.768,104.356 99.154,104.742 ; 99.154,104.742 99.154,104.732 99.53,104.356 v2(100.038,104.356) 100.546,104.356 100.678,104.488 v2@100.678,104.732 ; v2@100.678,104.732 101.054,104.356 v2(101.562,104.356) 101.816,104.356 101.948,104.488 101.948,104.732 ; 101.948,104.732 102.324,104.356 102.832,104.356 103.218,104.742